# KiCad board testhologram.kicad_pcb (continued)
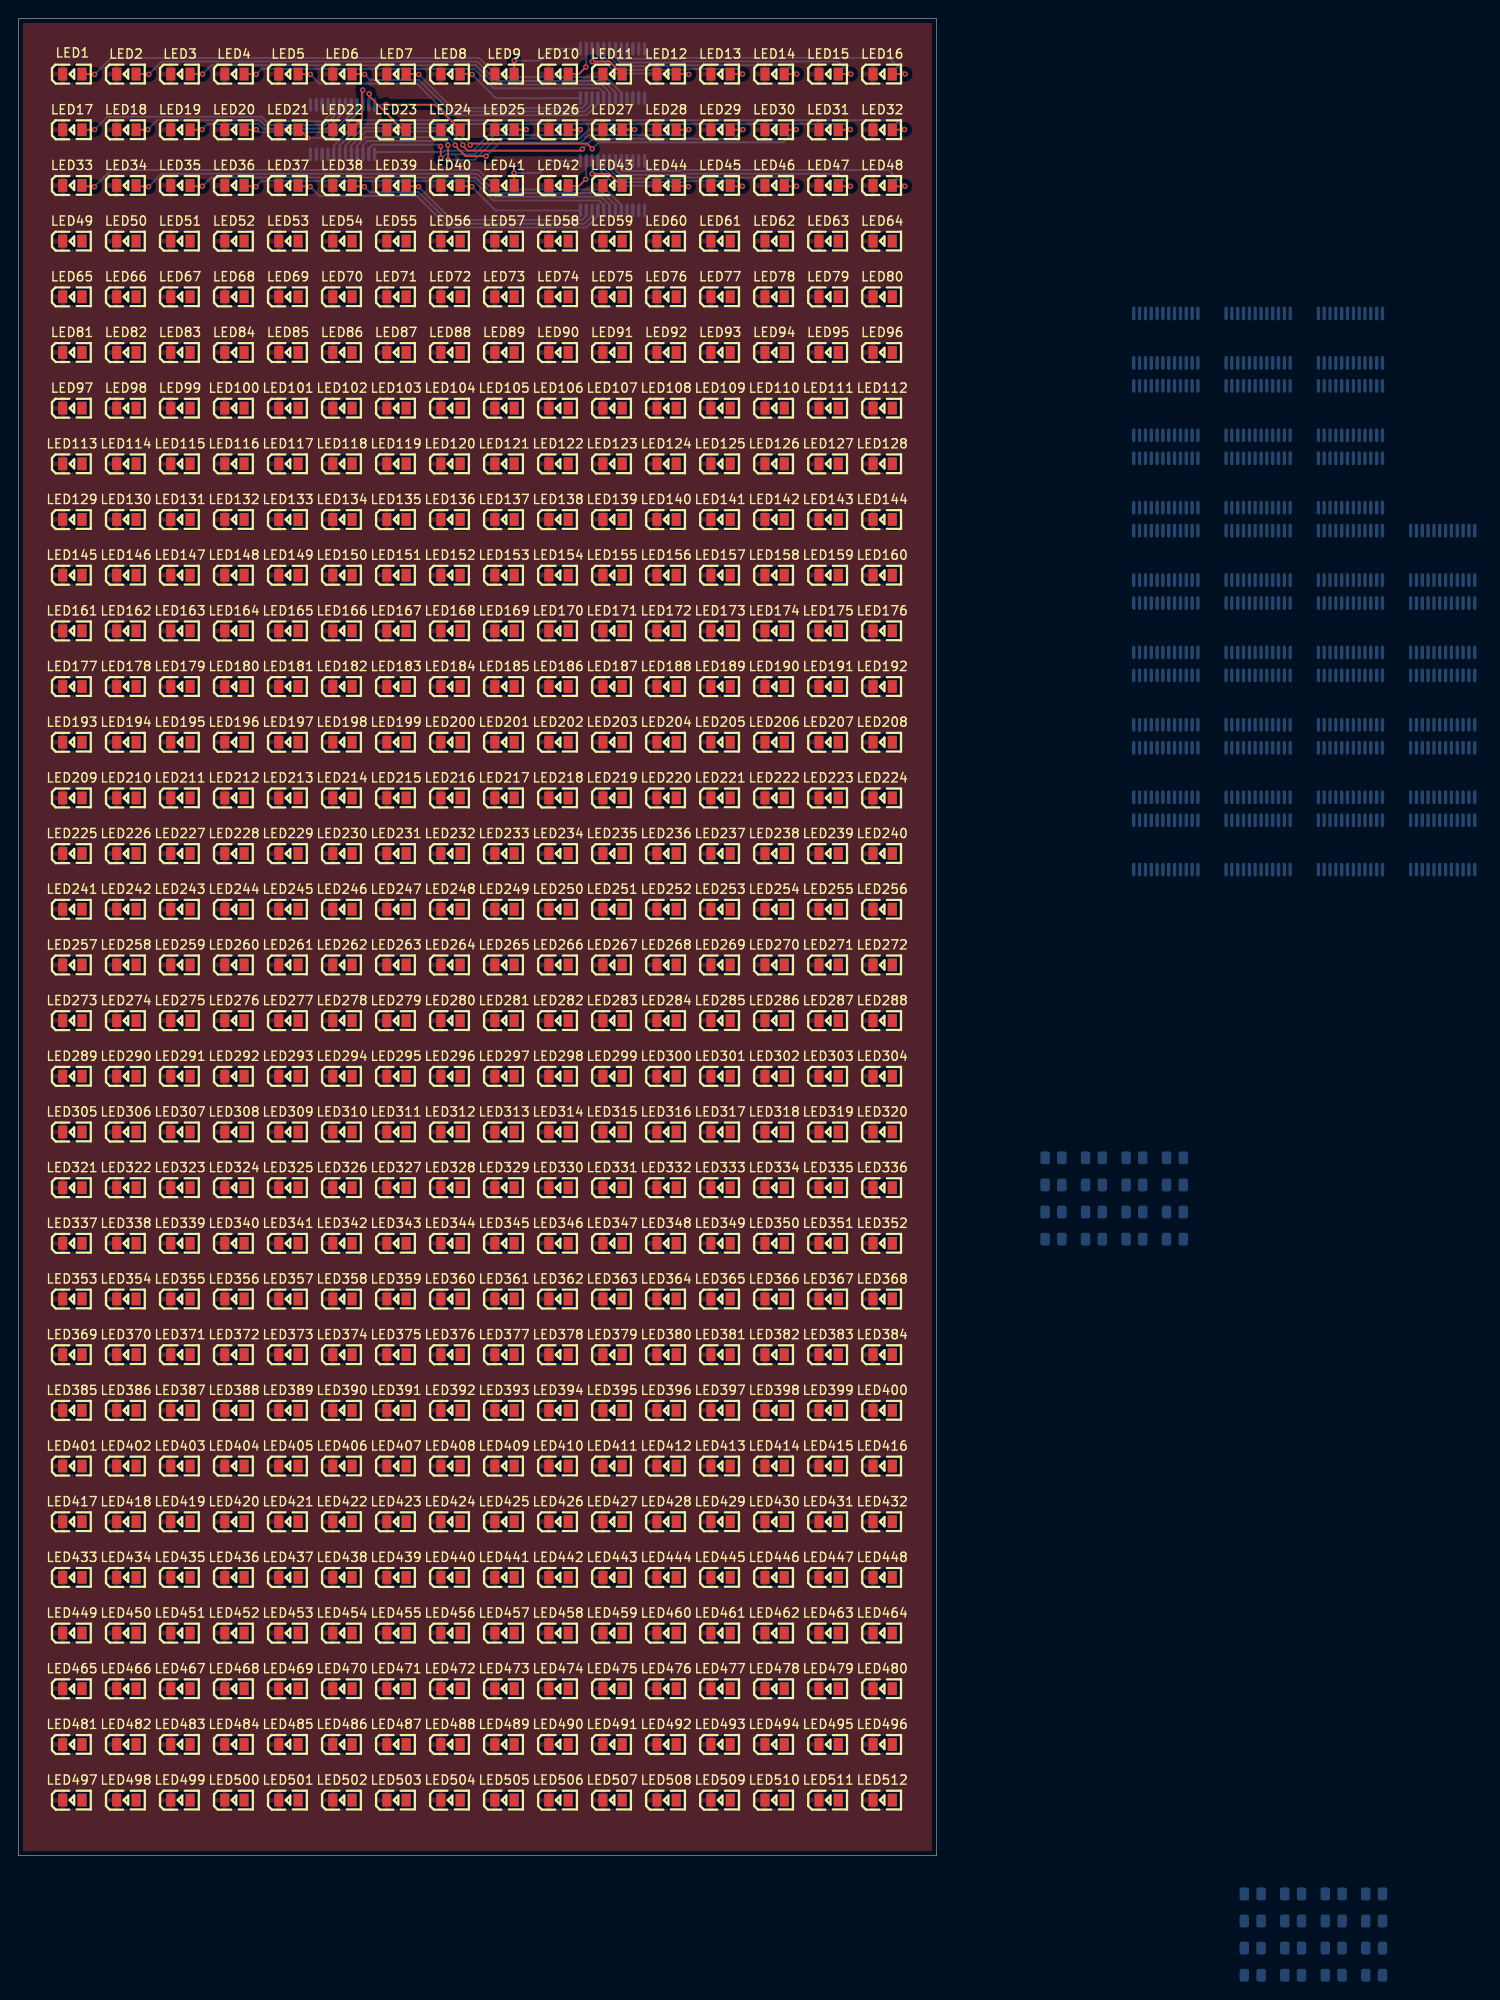
[diagram p0: board, top side]
## Placement (name value [footprint] x y rotation side) (continued)
LED328  0805G (Green)  [LED0805-R-RD]  47.06 72.73 0 top
LED329  0805G (Green)  [LED0805-R-RD]  52.94 72.73 0 top
LED330  0805G (Green)  [LED0805-R-RD]  58.82 72.73 0 top
LED331  0805G (Green)  [LED0805-R-RD]  64.71 72.73 0 top
LED332  0805G (Green)  [LED0805-R-RD]  70.59 72.73 0 top
LED333  0805G (Green)  [LED0805-R-RD]  76.47 72.73 0 top
LED334  0805G (Green)  [LED0805-R-RD]  82.35 72.73 0 top
LED335  0805G (Green)  [LED0805-R-RD]  88.24 72.73 0 top
LED336  0805G (Green)  [LED0805-R-RD]  94.12 72.73 0 top
LED337  0805G (Green)  [LED0805-R-RD]  5.88 66.67 0 top
LED338  0805G (Green)  [LED0805-R-RD]  11.76 66.67 0 top
LED339  0805G (Green)  [LED0805-R-RD]  17.65 66.67 0 top
LED340  0805G (Green)  [LED0805-R-RD]  23.53 66.67 0 top
LED341  0805G (Green)  [LED0805-R-RD]  29.41 66.67 0 top
LED342  0805G (Green)  [LED0805-R-RD]  35.29 66.67 0 top
LED343  0805G (Green)  [LED0805-R-RD]  41.18 66.67 0 top
LED344  0805G (Green)  [LED0805-R-RD]  47.06 66.67 0 top
LED345  0805G (Green)  [LED0805-R-RD]  52.94 66.67 0 top
LED346  0805G (Green)  [LED0805-R-RD]  58.82 66.67 0 top
LED347  0805G (Green)  [LED0805-R-RD]  64.71 66.67 0 top
LED348  0805G (Green)  [LED0805-R-RD]  70.59 66.67 0 top
LED349  0805G (Green)  [LED0805-R-RD]  76.47 66.67 0 top
LED350  0805G (Green)  [LED0805-R-RD]  82.35 66.67 0 top
LED351  0805G (Green)  [LED0805-R-RD]  88.24 66.67 0 top
LED352  0805G (Green)  [LED0805-R-RD]  94.12 66.67 0 top
LED353  0805G (Green)  [LED0805-R-RD]  5.88 60.61 0 top
LED354  0805G (Green)  [LED0805-R-RD]  11.76 60.61 0 top
LED355  0805G (Green)  [LED0805-R-RD]  17.65 60.61 0 top
LED356  0805G (Green)  [LED0805-R-RD]  23.53 60.61 0 top
LED357  0805G (Green)  [LED0805-R-RD]  29.41 60.61 0 top
LED358  0805G (Green)  [LED0805-R-RD]  35.29 60.61 0 top
LED359  0805G (Green)  [LED0805-R-RD]  41.18 60.61 0 top
LED360  0805G (Green)  [LED0805-R-RD]  47.06 60.61 0 top
LED361  0805G (Green)  [LED0805-R-RD]  52.94 60.61 0 top
LED362  0805G (Green)  [LED0805-R-RD]  58.82 60.61 0 top
LED363  0805G (Green)  [LED0805-R-RD]  64.71 60.61 0 top
LED364  0805G (Green)  [LED0805-R-RD]  70.59 60.61 0 top
LED365  0805G (Green)  [LED0805-R-RD]  76.47 60.61 0 top
LED366  0805G (Green)  [LED0805-R-RD]  82.35 60.61 0 top
LED367  0805G (Green)  [LED0805-R-RD]  88.24 60.61 0 top
LED368  0805G (Green)  [LED0805-R-RD]  94.12 60.61 0 top
LED369  0805G (Green)  [LED0805-R-RD]  5.88 54.55 0 top
LED370  0805G (Green)  [LED0805-R-RD]  11.76 54.55 0 top
LED371  0805G (Green)  [LED0805-R-RD]  17.65 54.55 0 top
LED372  0805G (Green)  [LED0805-R-RD]  23.53 54.55 0 top
LED373  0805G (Green)  [LED0805-R-RD]  29.41 54.55 0 top
LED374  0805G (Green)  [LED0805-R-RD]  35.29 54.55 0 top
LED375  0805G (Green)  [LED0805-R-RD]  41.18 54.55 0 top
LED376  0805G (Green)  [LED0805-R-RD]  47.06 54.55 0 top
LED377  0805G (Green)  [LED0805-R-RD]  52.94 54.55 0 top
LED378  0805G (Green)  [LED0805-R-RD]  58.82 54.55 0 top
LED379  0805G (Green)  [LED0805-R-RD]  64.71 54.55 0 top
LED380  0805G (Green)  [LED0805-R-RD]  70.59 54.55 0 top
LED381  0805G (Green)  [LED0805-R-RD]  76.47 54.55 0 top
LED382  0805G (Green)  [LED0805-R-RD]  82.35 54.55 0 top
LED383  0805G (Green)  [LED0805-R-RD]  88.24 54.55 0 top
LED384  0805G (Green)  [LED0805-R-RD]  94.12 54.55 0 top
LED385  0805G (Green)  [LED0805-R-RD]  5.88 48.48 0 top
LED386  0805G (Green)  [LED0805-R-RD]  11.76 48.48 0 top
LED387  0805G (Green)  [LED0805-R-RD]  17.65 48.48 0 top
LED388  0805G (Green)  [LED0805-R-RD]  23.53 48.48 0 top
LED389  0805G (Green)  [LED0805-R-RD]  29.41 48.48 0 top
LED390  0805G (Green)  [LED0805-R-RD]  35.29 48.48 0 top
LED391  0805G (Green)  [LED0805-R-RD]  41.18 48.48 0 top
LED392  0805G (Green)  [LED0805-R-RD]  47.06 48.48 0 top
LED393  0805G (Green)  [LED0805-R-RD]  52.94 48.48 0 top
LED394  0805G (Green)  [LED0805-R-RD]  58.82 48.48 0 top
LED395  0805G (Green)  [LED0805-R-RD]  64.71 48.48 0 top
LED396  0805G (Green)  [LED0805-R-RD]  70.59 48.48 0 top
LED397  0805G (Green)  [LED0805-R-RD]  76.47 48.48 0 top
LED398  0805G (Green)  [LED0805-R-RD]  82.35 48.48 0 top
LED399  0805G (Green)  [LED0805-R-RD]  88.24 48.48 0 top
LED400  0805G (Green)  [LED0805-R-RD]  94.12 48.48 0 top
LED401  0805G (Green)  [LED0805-R-RD]  5.88 42.42 0 top
LED402  0805G (Green)  [LED0805-R-RD]  11.76 42.42 0 top
LED403  0805G (Green)  [LED0805-R-RD]  17.65 42.42 0 top
LED404  0805G (Green)  [LED0805-R-RD]  23.53 42.42 0 top
LED405  0805G (Green)  [LED0805-R-RD]  29.41 42.42 0 top
LED406  0805G (Green)  [LED0805-R-RD]  35.29 42.42 0 top
LED407  0805G (Green)  [LED0805-R-RD]  41.18 42.42 0 top
LED408  0805G (Green)  [LED0805-R-RD]  47.06 42.42 0 top
LED409  0805G (Green)  [LED0805-R-RD]  52.94 42.42 0 top
LED410  0805G (Green)  [LED0805-R-RD]  58.82 42.42 0 top
LED411  0805G (Green)  [LED0805-R-RD]  64.71 42.42 0 top
LED412  0805G (Green)  [LED0805-R-RD]  70.59 42.42 0 top
LED413  0805G (Green)  [LED0805-R-RD]  76.47 42.42 0 top
LED414  0805G (Green)  [LED0805-R-RD]  82.35 42.42 0 top
LED415  0805G (Green)  [LED0805-R-RD]  88.24 42.42 0 top
LED416  0805G (Green)  [LED0805-R-RD]  94.12 42.42 0 top
LED417  0805G (Green)  [LED0805-R-RD]  5.88 36.36 0 top
LED418  0805G (Green)  [LED0805-R-RD]  11.76 36.36 0 top
LED419  0805G (Green)  [LED0805-R-RD]  17.65 36.36 0 top
LED420  0805G (Green)  [LED0805-R-RD]  23.53 36.36 0 top
LED421  0805G (Green)  [LED0805-R-RD]  29.41 36.36 0 top
LED422  0805G (Green)  [LED0805-R-RD]  35.29 36.36 0 top
LED423  0805G (Green)  [LED0805-R-RD]  41.18 36.36 0 top
LED424  0805G (Green)  [LED0805-R-RD]  47.06 36.36 0 top
LED425  0805G (Green)  [LED0805-R-RD]  52.94 36.36 0 top
LED426  0805G (Green)  [LED0805-R-RD]  58.82 36.36 0 top
LED427  0805G (Green)  [LED0805-R-RD]  64.71 36.36 0 top
LED428  0805G (Green)  [LED0805-R-RD]  70.59 36.36 0 top
LED429  0805G (Green)  [LED0805-R-RD]  76.47 36.36 0 top
LED430  0805G (Green)  [LED0805-R-RD]  82.35 36.36 0 top
LED431  0805G (Green)  [LED0805-R-RD]  88.24 36.36 0 top
LED432  0805G (Green)  [LED0805-R-RD]  94.12 36.36 0 top
LED433  0805G (Green)  [LED0805-R-RD]  5.88 30.3 0 top
LED434  0805G (Green)  [LED0805-R-RD]  11.76 30.3 0 top
LED435  0805G (Green)  [LED0805-R-RD]  17.65 30.3 0 top
LED436  0805G (Green)  [LED0805-R-RD]  23.53 30.3 0 top
LED437  0805G (Green)  [LED0805-R-RD]  29.41 30.3 0 top
LED438  0805G (Green)  [LED0805-R-RD]  35.29 30.3 0 top
LED439  0805G (Green)  [LED0805-R-RD]  41.18 30.3 0 top
LED440  0805G (Green)  [LED0805-R-RD]  47.06 30.3 0 top
LED441  0805G (Green)  [LED0805-R-RD]  52.94 30.3 0 top
LED442  0805G (Green)  [LED0805-R-RD]  58.82 30.3 0 top
LED443  0805G (Green)  [LED0805-R-RD]  64.71 30.3 0 top
LED444  0805G (Green)  [LED0805-R-RD]  70.59 30.3 0 top
LED445  0805G (Green)  [LED0805-R-RD]  76.47 30.3 0 top
LED446  0805G (Green)  [LED0805-R-RD]  82.35 30.3 0 top
LED447  0805G (Green)  [LED0805-R-RD]  88.24 30.3 0 top
LED448  0805G (Green)  [LED0805-R-RD]  94.12 30.3 0 top
LED449  0805G (Green)  [LED0805-R-RD]  5.88 24.24 0 top
LED450  0805G (Green)  [LED0805-R-RD]  11.76 24.24 0 top
LED451  0805G (Green)  [LED0805-R-RD]  17.65 24.24 0 top
LED452  0805G (Green)  [LED0805-R-RD]  23.53 24.24 0 top
LED453  0805G (Green)  [LED0805-R-RD]  29.41 24.24 0 top
LED454  0805G (Green)  [LED0805-R-RD]  35.29 24.24 0 top
LED455  0805G (Green)  [LED0805-R-RD]  41.18 24.24 0 top
LED456  0805G (Green)  [LED0805-R-RD]  47.06 24.24 0 top
LED457  0805G (Green)  [LED0805-R-RD]  52.94 24.24 0 top
LED458  0805G (Green)  [LED0805-R-RD]  58.82 24.24 0 top
LED459  0805G (Green)  [LED0805-R-RD]  64.71 24.24 0 top
LED460  0805G (Green)  [LED0805-R-RD]  70.59 24.24 0 top
LED461  0805G (Green)  [LED0805-R-RD]  76.47 24.24 0 top
LED462  0805G (Green)  [LED0805-R-RD]  82.35 24.24 0 top
LED463  0805G (Green)  [LED0805-R-RD]  88.24 24.24 0 top
LED464  0805G (Green)  [LED0805-R-RD]  94.12 24.24 0 top
LED465  0805G (Green)  [LED0805-R-RD]  5.88 18.18 0 top
LED466  0805G (Green)  [LED0805-R-RD]  11.76 18.18 0 top
LED467  0805G (Green)  [LED0805-R-RD]  17.65 18.18 0 top
LED468  0805G (Green)  [LED0805-R-RD]  23.53 18.18 0 top
LED469  0805G (Green)  [LED0805-R-RD]  29.41 18.18 0 top
LED470  0805G (Green)  [LED0805-R-RD]  35.29 18.18 0 top
LED471  0805G (Green)  [LED0805-R-RD]  41.18 18.18 0 top
LED472  0805G (Green)  [LED0805-R-RD]  47.06 18.18 0 top
LED473  0805G (Green)  [LED0805-R-RD]  52.94 18.18 0 top
LED474  0805G (Green)  [LED0805-R-RD]  58.82 18.18 0 top
LED475  0805G (Green)  [LED0805-R-RD]  64.71 18.18 0 top
LED476  0805G (Green)  [LED0805-R-RD]  70.59 18.18 0 top
LED477  0805G (Green)  [LED0805-R-RD]  76.47 18.18 0 top
LED478  0805G (Green)  [LED0805-R-RD]  82.35 18.18 0 top
LED479  0805G (Green)  [LED0805-R-RD]  88.24 18.18 0 top
LED480  0805G (Green)  [LED0805-R-RD]  94.12 18.18 0 top
LED481  0805G (Green)  [LED0805-R-RD]  5.88 12.12 0 top
LED482  0805G (Green)  [LED0805-R-RD]  11.76 12.12 0 top
LED483  0805G (Green)  [LED0805-R-RD]  17.65 12.12 0 top
LED484  0805G (Green)  [LED0805-R-RD]  23.53 12.12 0 top
LED485  0805G (Green)  [LED0805-R-RD]  29.41 12.12 0 top
LED486  0805G (Green)  [LED0805-R-RD]  35.29 12.12 0 top
LED487  0805G (Green)  [LED0805-R-RD]  41.18 12.12 0 top
LED488  0805G (Green)  [LED0805-R-RD]  47.06 12.12 0 top
LED489  0805G (Green)  [LED0805-R-RD]  52.94 12.12 0 top
LED490  0805G (Green)  [LED0805-R-RD]  58.82 12.12 0 top
LED491  0805G (Green)  [LED0805-R-RD]  64.71 12.12 0 top
LED492  0805G (Green)  [LED0805-R-RD]  70.59 12.12 0 top
LED493  0805G (Green)  [LED0805-R-RD]  76.47 12.12 0 top
LED494  0805G (Green)  [LED0805-R-RD]  82.35 12.12 0 top
LED495  0805G (Green)  [LED0805-R-RD]  88.24 12.12 0 top
LED496  0805G (Green)  [LED0805-R-RD]  94.12 12.12 0 top
LED497  0805G (Green)  [LED0805-R-RD]  5.88 6.06 0 top
LED498  0805G (Green)  [LED0805-R-RD]  11.76 6.06 0 top
LED499  0805G (Green)  [LED0805-R-RD]  17.65 6.06 0 top
LED500  0805G (Green)  [LED0805-R-RD]  23.53 6.06 0 top
LED501  0805G (Green)  [LED0805-R-RD]  29.41 6.06 0 top
LED502  0805G (Green)  [LED0805-R-RD]  35.29 6.06 0 top
LED503  0805G (Green)  [LED0805-R-RD]  41.18 6.06 0 top
LED504  0805G (Green)  [LED0805-R-RD]  47.06 6.06 0 top
LED505  0805G (Green)  [LED0805-R-RD]  52.94 6.06 0 top
LED506  0805G (Green)  [LED0805-R-RD]  58.82 6.06 0 top
LED507  0805G (Green)  [LED0805-R-RD]  64.71 6.06 0 top
LED508  0805G (Green)  [LED0805-R-RD]  70.59 6.06 0 top
LED509  0805G (Green)  [LED0805-R-RD]  76.47 6.06 0 top
LED510  0805G (Green)  [LED0805-R-RD]  82.35 6.06 0 top
LED511  0805G (Green)  [LED0805-R-RD]  88.24 6.06 0 top
LED512  0805G (Green)  [LED0805-R-RD]  94.12 6.06 0 top
R1  R_US  [R_0805_2012Metric]  125.95 75.97 180 bottom
R2  R_US  [R_0805_2012Metric]  125.95 73.02 180 bottom
R3  R_US  [R_0805_2012Metric]  125.95 70.07 180 bottom
R4  R_US  [R_0805_2012Metric]  125.95 67.12 180 bottom
R5  R_US  [R_0805_2012Metric]  121.54 75.97 180 bottom
R6  R_US  [R_0805_2012Metric]  121.54 73.02 180 bottom
R7  R_US  [R_0805_2012Metric]  121.54 70.07 180 bottom
R8  R_US  [R_0805_2012Metric]  121.54 67.12 180 bottom
R9  R_US  [R_0805_2012Metric]  117.13 75.97 180 bottom
R10  R_US  [R_0805_2012Metric]  117.13 73.02 180 bottom
R11  R_US  [R_0805_2012Metric]  117.13 70.07 180 bottom
R12  R_US  [R_0805_2012Metric]  117.13 67.12 180 bottom
R13  R_US  [R_0805_2012Metric]  112.72 75.97 180 bottom
R14  R_US  [R_0805_2012Metric]  112.72 73.02 180 bottom
R15  R_US  [R_0805_2012Metric]  112.72 70.07 180 bottom
R16  R_US  [R_0805_2012Metric]  112.72 67.12 180 bottom
R17  R_US  [R_0805_2012Metric]  147.65 -4.15 180 bottom
R18  R_US  [R_0805_2012Metric]  147.65 -7.1 180 bottom
R19  R_US  [R_0805_2012Metric]  147.65 -10.05 180 bottom
R20  R_US  [R_0805_2012Metric]  147.65 -13 180 bottom
R21  R_US  [R_0805_2012Metric]  143.24 -4.15 180 bottom
R22  R_US  [R_0805_2012Metric]  143.24 -7.1 180 bottom
R23  R_US  [R_0805_2012Metric]  143.24 -10.05 180 bottom
R24  R_US  [R_0805_2012Metric]  143.24 -13 180 bottom
R25  R_US  [R_0805_2012Metric]  138.83 -4.15 180 bottom
R26  R_US  [R_0805_2012Metric]  138.83 -7.1 180 bottom
R27  R_US  [R_0805_2012Metric]  138.83 -10.05 180 bottom
R28  R_US  [R_0805_2012Metric]  138.83 -13 180 bottom
R29  R_US  [R_0805_2012Metric]  134.42 -4.15 180 bottom
R30  R_US  [R_0805_2012Metric]  134.42 -7.1 180 bottom
R31  R_US  [R_0805_2012Metric]  134.42 -10.05 180 bottom
R32  R_US  [R_0805_2012Metric]  134.42 -13 180 bottom
U1  SM16106SC  [QSOP-24_L8.7-W4.0-P0.64-LS6.0-BL]  64.7 194 180 bottom
U2  SM16106SC  [QSOP-24_L8.7-W4.0-P0.64-LS6.0-BL]  35.3 187.9 0 bottom
U3  SM16106SC  [QSOP-24_L8.7-W4.0-P0.64-LS6.0-BL]  64.7 181.8 180 bottom
U4  SM16106SC  [QSOP-24_L8.7-W4.0-P0.64-LS6.0-BL]  155.11 141.55 180 bottom
U5  SM16106SC  [QSOP-24_L8.7-W4.0-P0.64-LS6.0-BL]  155.11 133.67 180 bottom
U6  SM16106SC  [QSOP-24_L8.7-W4.0-P0.64-LS6.0-BL]  155.11 125.79 180 bottom
U7  SM16106SC  [QSOP-24_L8.7-W4.0-P0.64-LS6.0-BL]  155.11 117.91 180 bottom
U8  SM16106SC  [QSOP-24_L8.7-W4.0-P0.64-LS6.0-BL]  155.11 110.03 180 bottom
U9  SM16106SC  [QSOP-24_L8.7-W4.0-P0.64-LS6.0-BL]  145.06 165.19 180 bottom
U10  SM16106SC  [QSOP-24_L8.7-W4.0-P0.64-LS6.0-BL]  145.06 157.31 180 bottom
U11  SM16106SC  [QSOP-24_L8.7-W4.0-P0.64-LS6.0-BL]  145.06 149.43 180 bottom
U12  SM16106SC  [QSOP-24_L8.7-W4.0-P0.64-LS6.0-BL]  145.06 141.55 180 bottom
U13  SM16106SC  [QSOP-24_L8.7-W4.0-P0.64-LS6.0-BL]  145.06 133.67 180 bottom
U14  SM16106SC  [QSOP-24_L8.7-W4.0-P0.64-LS6.0-BL]  145.06 125.79 180 bottom
U15  SM16106SC  [QSOP-24_L8.7-W4.0-P0.64-LS6.0-BL]  145.06 117.91 180 bottom
U16  SM16106SC  [QSOP-24_L8.7-W4.0-P0.64-LS6.0-BL]  145.06 110.03 180 bottom
U17  SM16106SC  [QSOP-24_L8.7-W4.0-P0.64-LS6.0-BL]  135.01 165.19 180 bottom
U18  SM16106SC  [QSOP-24_L8.7-W4.0-P0.64-LS6.0-BL]  135.01 157.31 180 bottom
U19  SM16106SC  [QSOP-24_L8.7-W4.0-P0.64-LS6.0-BL]  135.01 149.43 180 bottom
U20  SM16106SC  [QSOP-24_L8.7-W4.0-P0.64-LS6.0-BL]  135.01 141.55 180 bottom
U21  SM16106SC  [QSOP-24_L8.7-W4.0-P0.64-LS6.0-BL]  135.01 133.67 180 bottom
U22  SM16106SC  [QSOP-24_L8.7-W4.0-P0.64-LS6.0-BL]  135.01 125.79 180 bottom
U23  SM16106SC  [QSOP-24_L8.7-W4.0-P0.64-LS6.0-BL]  135.01 117.91 180 bottom
U24  SM16106SC  [QSOP-24_L8.7-W4.0-P0.64-LS6.0-BL]  135.01 110.03 180 bottom
U25  SM16106SC  [QSOP-24_L8.7-W4.0-P0.64-LS6.0-BL]  124.96 165.19 180 bottom
U26  SM16106SC  [QSOP-24_L8.7-W4.0-P0.64-LS6.0-BL]  124.96 157.31 180 bottom
U27  SM16106SC  [QSOP-24_L8.7-W4.0-P0.64-LS6.0-BL]  124.96 149.43 180 bottom
U28  SM16106SC  [QSOP-24_L8.7-W4.0-P0.64-LS6.0-BL]  124.96 141.55 180 bottom
U29  SM16106SC  [QSOP-24_L8.7-W4.0-P0.64-LS6.0-BL]  124.96 133.67 180 bottom
U30  SM16106SC  [QSOP-24_L8.7-W4.0-P0.64-LS6.0-BL]  124.96 125.79 180 bottom
U31  SM16106SC  [QSOP-24_L8.7-W4.0-P0.64-LS6.0-BL]  124.96 117.91 180 bottom
U32  SM16106SC  [QSOP-24_L8.7-W4.0-P0.64-LS6.0-BL]  124.96 110.03 180 bottom

## Library data of the parts
LED1-LED512 = -: Description: Light emitting diode; LCSC Part: C2297; Sim.Pins: 1=K 2=A; ki_fp_filters: LED* LED_SMD:* LED_THT:*
R1-R32 = -: Description: Resistor, US symbol; ki_fp_filters: R_*
U1-U32 = -: Datasheet: https://lcsc.com/product-detail/LED-Drivers_SM16106SC_C121618.html; LCSC Part: C121618

## Footprints (pads in the part's own frame, mm; a bottom-side part is the same pattern mirrored in y, then rotated)
LED0805-R-RD
  rect 1x1.4 smd: 1(1.05,0) 2(-1.05,0)
QSOP-24_L8.7-W4.0-P0.64-LS6.0-BL
  oval 0.36x1.5 smd: 1(-3.49,-2.69) 2(-2.86,-2.69) 3(-2.22,-2.69) 4(-1.59,-2.69) 5(-0.95,-2.69) 6(-0.32,-2.69) 7(0.32,-2.69) 8(0.95,-2.69) 9(1.59,-2.69) 10(2.22,-2.69) 11(2.86,-2.69) 12(3.49,-2.69) 13(3.49,2.69) 14(2.86,2.69) 15(2.22,2.69) 16(1.59,2.69) 17(0.95,2.69) 18(0.32,2.69) 19(-0.32,2.69) 20(-0.95,2.69) 21(-1.59,2.69) 22(-2.22,2.69) 23(-2.86,2.69) 24(-3.49,2.69)
R_0805_2012Metric
  rrect 1.025x1.4 smd: 1(-0.912,0) 2(0.912,0)

## Nets
GND: R1.1 R2.1 R3.1 R4.1 R5.1 R6.1 R7.1 R8.1 R9.1 R10.1 R11.1 R12.1 R13.1 R14.1 R15.1 R16.1 R17.1 R18.1 R19.1 R20.1 R21.1 R22.1 R23.1 R24.1 R25.1 R26.1 R27.1 R28.1 R29.1 R30.1 R31.1 R32.1 U1.1 U2.1 U3.1 U4.1 U5.1 U6.1 U7.1 U8.1 U9.1 U10.1 U11.1 U12.1 U13.1 U14.1 U15.1 U16.1 U17.1 U18.1 U19.1 U20.1 U21.1 U22.1 U23.1 U24.1 U25.1 U26.1 U27.1 U28.1 U29.1 U30.1 U31.1 U32.1
VCC: LED1.2 LED2.2 LED3.2 LED4.2 LED5.2 LED6.2 LED7.2 LED8.2 LED9.2 LED10.2 LED11.2 LED12.2 LED13.2 LED14.2 LED15.2 LED16.2 LED17.2 LED18.2 LED19.2 LED20.2 LED21.2 LED22.2 LED23.2 LED24.2 LED25.2 LED26.2 LED27.2 LED28.2 LED29.2 LED30.2 LED31.2 LED32.2 LED33.2 LED34.2 LED35.2 LED36.2 LED37.2 LED38.2 LED39.2 LED40.2 LED41.2 LED42.2 LED43.2 LED44.2 LED45.2 LED46.2 LED47.2 LED48.2 LED49.2 LED50.2 LED51.2 LED52.2 LED53.2 LED54.2 LED55.2 LED56.2 LED57.2 LED58.2 LED59.2 LED60.2 LED61.2 LED62.2 LED63.2 LED64.2 LED65.2 LED66.2 LED67.2 LED68.2 LED69.2 LED70.2 LED71.2 LED72.2 LED73.2 LED74.2 LED75.2 LED76.2 LED77.2 LED78.2 LED79.2 LED80.2 LED81.2 LED82.2 LED83.2 LED84.2 LED85.2 LED86.2 LED87.2 LED88.2 LED89.2 LED90.2 LED91.2 LED92.2 LED93.2 LED94.2 LED95.2 LED96.2 LED97.2 LED98.2 LED99.2 LED100.2 LED101.2 LED102.2 LED103.2 LED104.2 LED105.2 LED106.2 LED107.2 LED108.2 LED109.2 LED110.2 LED111.2 LED112.2 LED113.2 LED114.2 LED115.2 LED116.2 LED117.2 LED118.2 LED119.2 LED120.2 LED121.2 LED122.2 LED123.2 LED124.2 LED125.2 LED126.2 LED127.2 LED128.2 LED129.2 LED130.2 LED131.2 LED132.2 LED133.2 LED134.2 LED135.2 LED136.2 LED137.2 LED138.2 LED139.2 LED140.2 LED141.2 LED142.2 LED143.2 LED144.2 LED145.2 LED146.2 LED147.2 LED148.2 LED149.2 LED150.2 LED151.2 LED152.2 LED153.2 LED154.2 LED155.2 LED156.2 LED157.2 LED158.2 LED159.2 LED160.2 LED161.2 LED162.2 LED163.2 LED164.2 LED165.2 LED166.2 LED167.2 LED168.2 LED169.2 LED170.2 LED171.2 LED172.2 LED173.2 LED174.2 LED175.2 LED176.2 LED177.2 LED178.2 LED179.2 LED180.2 LED181.2 LED182.2 LED183.2 LED184.2 LED185.2 LED186.2 LED187.2 LED188.2 LED189.2 LED190.2 LED191.2 LED192.2 LED193.2 LED194.2 LED195.2 LED196.2 LED197.2 LED198.2 LED199.2 LED200.2 LED201.2 LED202.2 LED203.2 LED204.2 LED205.2 LED206.2 LED207.2 LED208.2 LED209.2 LED210.2 LED211.2 LED212.2 LED213.2 LED214.2 LED215.2 LED216.2 LED217.2 LED218.2 LED219.2 LED220.2 LED221.2 LED222.2 LED223.2 LED224.2 LED225.2 LED226.2 LED227.2 LED228.2 LED229.2 LED230.2 LED231.2 LED232.2 LED233.2 LED234.2 LED235.2 LED236.2 LED237.2 LED238.2 LED239.2 LED240.2 LED241.2 LED242.2 LED243.2 LED244.2 LED245.2 LED246.2 LED247.2 LED248.2 LED249.2 LED250.2 LED251.2 LED252.2 LED253.2 LED254.2 LED255.2 LED256.2 LED257.2 LED258.2 LED259.2 LED260.2 LED261.2 LED262.2 LED263.2 LED264.2 LED265.2 LED266.2 LED267.2 LED268.2 LED269.2 LED270.2 LED271.2 LED272.2 LED273.2 LED274.2 LED275.2 LED276.2 LED277.2 LED278.2 LED279.2 LED280.2 LED281.2 LED282.2 LED283.2 LED284.2 LED285.2 LED286.2 LED287.2 LED288.2 LED289.2 LED290.2 LED291.2 LED292.2 LED293.2 LED294.2 LED295.2 LED296.2 LED297.2 LED298.2 LED299.2 LED300.2 LED301.2 LED302.2 LED303.2 LED304.2 LED305.2 LED306.2 LED307.2 LED308.2 LED309.2 LED310.2 LED311.2 LED312.2 LED313.2 LED314.2 LED315.2 LED316.2 LED317.2 LED318.2 LED319.2 LED320.2 LED321.2 LED322.2 LED323.2 LED324.2 LED325.2 LED326.2 LED327.2 LED328.2 LED329.2 LED330.2 LED331.2 LED332.2 LED333.2 LED334.2 LED335.2 LED336.2 LED337.2 LED338.2 LED339.2 LED340.2 LED341.2 LED342.2 LED343.2 LED344.2 LED345.2 LED346.2 LED347.2 LED348.2 LED349.2 LED350.2 LED351.2 LED352.2 LED353.2 LED354.2 LED355.2 LED356.2 LED357.2 LED358.2 LED359.2 LED360.2 LED361.2 LED362.2 LED363.2 LED364.2 LED365.2 LED366.2 LED367.2 LED368.2 LED369.2 LED370.2 LED371.2 LED372.2 LED373.2 LED374.2 LED375.2 LED376.2 LED377.2 LED378.2 LED379.2 LED380.2 LED381.2 LED382.2 LED383.2 LED384.2 LED385.2 LED386.2 LED387.2 LED388.2 LED389.2 LED390.2 LED391.2 LED392.2 LED393.2 LED394.2 LED395.2 LED396.2 LED397.2 LED398.2 LED399.2 LED400.2 LED401.2 LED402.2 LED403.2 LED404.2 LED405.2 LED406.2 LED407.2 LED408.2 LED409.2 LED410.2 LED411.2 LED412.2 LED413.2 LED414.2 LED415.2 LED416.2 LED417.2 LED418.2 LED419.2 LED420.2 LED421.2 LED422.2 LED423.2 LED424.2 LED425.2 LED426.2 LED427.2 LED428.2 LED429.2 LED430.2 LED431.2 LED432.2 LED433.2 LED434.2 LED435.2 LED436.2 LED437.2 LED438.2 LED439.2 LED440.2 LED441.2 LED442.2 LED443.2 LED444.2 LED445.2 LED446.2 LED447.2 LED448.2 LED449.2 LED450.2 LED451.2 LED452.2 LED453.2 LED454.2 LED455.2 LED456.2 LED457.2 LED458.2 LED459.2 LED460.2 LED461.2 LED462.2 LED463.2 LED464.2 LED465.2 LED466.2 LED467.2 LED468.2 LED469.2 LED470.2 LED471.2 LED472.2 LED473.2 LED474.2 LED475.2 LED476.2 LED477.2 LED478.2 LED479.2 LED480.2 LED481.2 LED482.2 LED483.2 LED484.2 LED485.2 LED486.2 LED487.2 LED488.2 LED489.2 LED490.2 LED491.2 LED492.2 LED493.2 LED494.2 LED495.2 LED496.2 LED497.2 LED498.2 LED499.2 LED500.2 LED501.2 LED502.2 LED503.2 LED504.2 LED505.2 LED506.2 LED507.2 LED508.2 LED509.2 LED510.2 LED511.2 LED512.2
VDD: U1.24 U2.24 U3.24 U4.24 U5.24 U6.24 U7.24 U8.24 U9.24 U10.24 U11.24 U12.24 U13.24 U14.24 U15.24 U16.24 U17.24 U18.24 U19.24 U20.24 U21.24 U22.24 U23.24 U24.24 U25.24 U26.24 U27.24 U28.24 U29.24 U30.24 U31.24 U32.24
CLK: U1.3 U2.3 U3.3 U4.3 U5.3 U6.3 U7.3 U8.3 U9.3 U10.3 U11.3 U12.3 U13.3 U14.3 U15.3 U16.3 U17.3 U18.3 U19.3 U20.3 U21.3 U22.3 U23.3 U24.3 U25.3 U26.3 U27.3 U28.3 U29.3 U30.3 U31.3 U32.3
LE: U1.4 U2.4 U3.4 U4.4 U5.4 U6.4 U7.4 U8.4 U9.4 U10.4 U11.4 U12.4 U13.4 U14.4 U15.4 U16.4 U17.4 U18.4 U19.4 U20.4 U21.4 U22.4 U23.4 U24.4 U25.4 U26.4 U27.4 U28.4 U29.4 U30.4 U31.4 U32.4
NOT_OE: U1.21 U2.21 U3.21 U4.21 U5.21 U6.21 U7.21 U8.21 U9.21 U10.21 U11.21 U12.21 U13.21 U14.21 U15.21 U16.21 U17.21 U18.21 U19.21 U20.21 U21.21 U22.21 U23.21 U24.21 U25.21 U26.21 U27.21 U28.21 U29.21 U30.21 U31.21 U32.21
SDI: U1.2 U2.2 U3.2 U4.2 U5.2 U6.2 U7.2 U8.2 U9.2 U10.2 U11.2 U12.2 U13.2 U14.2 U15.2 U16.2 U17.2 U18.2 U19.2 U20.2 U21.2 U22.2 U23.2 U24.2 U25.2 U26.2 U27.2 U28.2 U29.2 U30.2 U31.2 U32.2
SDO-01: U1.22 U2.22 U3.22 U4.22 U5.22 U6.22 U7.22 U8.22 U9.22 U10.22 U11.22 U12.22 U13.22 U14.22 U15.22 U16.22 U17.22 U18.22 U19.22 U20.22 U21.22 U22.22 U23.22 U24.22 U25.22 U26.22 U27.22 U28.22 U29.22 U30.22 U31.22 U32.22
Net-(LED1-K): LED1.1 U1.5
Net-(LED2-K): LED2.1 U1.6
Net-(LED3-K): LED3.1 U1.7
Net-(LED4-K): LED4.1 U1.8
Net-(LED5-K): LED5.1 U1.9
Net-(LED6-K): LED6.1 U1.10
Net-(LED7-K): LED7.1 U1.11
Net-(LED8-K): LED8.1 U1.12
Net-(LED9-K): LED9.1 U1.13
Net-(LED10-K): LED10.1 U1.14
Net-(LED11-K): LED11.1 U1.15
Net-(LED12-K): LED12.1 U1.16
Net-(LED13-K): LED13.1 U1.17
Net-(LED14-K): LED14.1 U1.18
Net-(LED15-K): LED15.1 U1.19
Net-(LED16-K): LED16.1 U1.20
Net-(LED17-K): LED17.1 U2.5
Net-(LED18-K): LED18.1 U2.6
Net-(LED19-K): LED19.1 U2.7
Net-(LED20-K): LED20.1 U2.8
Net-(LED21-K): LED21.1 U2.9
Net-(LED22-K): LED22.1 U2.10
Net-(LED23-K): LED23.1 U2.11
Net-(LED24-K): LED24.1 U2.12
Net-(LED25-K): LED25.1 U2.13
Net-(LED26-K): LED26.1 U2.14
Net-(LED27-K): LED27.1 U2.15
Net-(LED28-K): LED28.1 U2.16
Net-(LED29-K): LED29.1 U2.17
Net-(LED30-K): LED30.1 U2.18
Net-(LED31-K): LED31.1 U2.19
Net-(LED32-K): LED32.1 U2.20
Net-(LED33-K): LED33.1 U3.5
Net-(LED34-K): LED34.1 U3.6
Net-(LED35-K): LED35.1 U3.7
Net-(LED36-K): LED36.1 U3.8
Net-(LED37-K): LED37.1 U3.9
Net-(LED38-K): LED38.1 U3.10
Net-(LED39-K): LED39.1 U3.11
Net-(LED40-K): LED40.1 U3.12
Net-(LED41-K): LED41.1 U3.13
Net-(LED42-K): LED42.1 U3.14
Net-(LED43-K): LED43.1 U3.15
Net-(LED44-K): LED44.1 U3.16
Net-(LED45-K): LED45.1 U3.17
Net-(LED46-K): LED46.1 U3.18
Net-(LED47-K): LED47.1 U3.19
Net-(LED48-K): LED48.1 U3.20
Net-(LED49-K): LED49.1 U4.5
Net-(LED50-K): LED50.1 U4.6
Net-(LED51-K): LED51.1 U4.7
Net-(LED52-K): LED52.1 U4.8
Net-(LED53-K): LED53.1 U4.9
Net-(LED54-K): LED54.1 U4.10
Net-(LED55-K): LED55.1 U4.11
Net-(LED56-K): LED56.1 U4.12
Net-(LED57-K): LED57.1 U4.13
Net-(LED58-K): LED58.1 U4.14
Net-(LED59-K): LED59.1 U4.15
Net-(LED60-K): LED60.1 U4.16
Net-(LED61-K): LED61.1 U4.17
Net-(LED62-K): LED62.1 U4.18
Net-(LED63-K): LED63.1 U4.19
Net-(LED64-K): LED64.1 U4.20
Net-(LED65-K): LED65.1 U5.5
Net-(LED66-K): LED66.1 U5.6
Net-(LED67-K): LED67.1 U5.7
Net-(LED68-K): LED68.1 U5.8
Net-(LED69-K): LED69.1 U5.9
Net-(LED70-K): LED70.1 U5.10
Net-(LED71-K): LED71.1 U5.11
Net-(LED72-K): LED72.1 U5.12
Net-(LED73-K): LED73.1 U5.13
Net-(LED74-K): LED74.1 U5.14
Net-(LED75-K): LED75.1 U5.15
Net-(LED76-K): LED76.1 U5.16
Net-(LED77-K): LED77.1 U5.17
Net-(LED78-K): LED78.1 U5.18
Net-(LED79-K): LED79.1 U5.19
Net-(LED80-K): LED80.1 U5.20
Net-(LED81-K): LED81.1 U6.5
Net-(LED82-K): LED82.1 U6.6
Net-(LED83-K): LED83.1 U6.7
Net-(LED84-K): LED84.1 U6.8
Net-(LED85-K): LED85.1 U6.9
Net-(LED86-K): LED86.1 U6.10
Net-(LED87-K): LED87.1 U6.11
Net-(LED88-K): LED88.1 U6.12
Net-(LED89-K): LED89.1 U6.13
Net-(LED90-K): LED90.1 U6.14
Net-(LED91-K): LED91.1 U6.15
Net-(LED92-K): LED92.1 U6.16
Net-(LED93-K): LED93.1 U6.17
Net-(LED94-K): LED94.1 U6.18
Net-(LED95-K): LED95.1 U6.19
Net-(LED96-K): LED96.1 U6.20
Net-(LED97-K): LED97.1 U7.5
Net-(LED98-K): LED98.1 U7.6
Net-(LED99-K): LED99.1 U7.7
Net-(LED100-K): LED100.1 U7.8
Net-(LED101-K): LED101.1 U7.9
Net-(LED102-K): LED102.1 U7.10
Net-(LED103-K): LED103.1 U7.11
Net-(LED104-K): LED104.1 U7.12
Net-(LED105-K): LED105.1 U7.13
Net-(LED106-K): LED106.1 U7.14
Net-(LED107-K): LED107.1 U7.15
Net-(LED108-K): LED108.1 U7.16
Net-(LED109-K): LED109.1 U7.17
Net-(LED110-K): LED110.1 U7.18
Net-(LED111-K): LED111.1 U7.19
Net-(LED112-K): LED112.1 U7.20
Net-(LED113-K): LED113.1 U8.5
Net-(LED114-K): LED114.1 U8.6
Net-(LED115-K): LED115.1 U8.7
Net-(LED116-K): LED116.1 U8.8
Net-(LED117-K): LED117.1 U8.9
Net-(LED118-K): LED118.1 U8.10
Net-(LED119-K): LED119.1 U8.11
Net-(LED120-K): LED120.1 U8.12
Net-(LED121-K): LED121.1 U8.13
Net-(LED122-K): LED122.1 U8.14
Net-(LED123-K): LED123.1 U8.15
Net-(LED124-K): LED124.1 U8.16
Net-(LED125-K): LED125.1 U8.17
Net-(LED126-K): LED126.1 U8.18
Net-(LED127-K): LED127.1 U8.19
Net-(LED128-K): LED128.1 U8.20
Net-(LED129-K): LED129.1 U9.5
Net-(LED130-K): LED130.1 U9.6
Net-(LED131-K): LED131.1 U9.7
Net-(LED132-K): LED132.1 U9.8
Net-(LED133-K): LED133.1 U9.9
Net-(LED134-K): LED134.1 U9.10
Net-(LED135-K): LED135.1 U9.11
Net-(LED136-K): LED136.1 U9.12
Net-(LED137-K): LED137.1 U9.13
Net-(LED138-K): LED138.1 U9.14
Net-(LED139-K): LED139.1 U9.15
Net-(LED140-K): LED140.1 U9.16
Net-(LED141-K): LED141.1 U9.17
Net-(LED142-K): LED142.1 U9.18
Net-(LED143-K): LED143.1 U9.19
Net-(LED144-K): LED144.1 U9.20
Net-(LED145-K): LED145.1 U10.5
Net-(LED146-K): LED146.1 U10.6
Net-(LED147-K): LED147.1 U10.7
Net-(LED148-K): LED148.1 U10.8
Net-(LED149-K): LED149.1 U10.9
Net-(LED150-K): LED150.1 U10.10
Net-(LED151-K): LED151.1 U10.11
Net-(LED152-K): LED152.1 U10.12
Net-(LED153-K): LED153.1 U10.13
Net-(LED154-K): LED154.1 U10.14
Net-(LED155-K): LED155.1 U10.15
Net-(LED156-K): LED156.1 U10.16
Net-(LED157-K): LED157.1 U10.17
Net-(LED158-K): LED158.1 U10.18
Net-(LED159-K): LED159.1 U10.19
Net-(LED160-K): LED160.1 U10.20
Net-(LED161-K): LED161.1 U11.5
Net-(LED162-K): LED162.1 U11.6
Net-(LED163-K): LED163.1 U11.7
Net-(LED164-K): LED164.1 U11.8
Net-(LED165-K): LED165.1 U11.9
Net-(LED166-K): LED166.1 U11.10
Net-(LED167-K): LED167.1 U11.11
Net-(LED168-K): LED168.1 U11.12
Net-(LED169-K): LED169.1 U11.13
Net-(LED170-K): LED170.1 U11.14
Net-(LED171-K): LED171.1 U11.15
Net-(LED172-K): LED172.1 U11.16
Net-(LED173-K): LED173.1 U11.17
Net-(LED174-K): LED174.1 U11.18
Net-(LED175-K): LED175.1 U11.19
Net-(LED176-K): LED176.1 U11.20
Net-(LED177-K): LED177.1 U12.5
Net-(LED178-K): LED178.1 U12.6
Net-(LED179-K): LED179.1 U12.7
Net-(LED180-K): LED180.1 U12.8
Net-(LED181-K): LED181.1 U12.9
Net-(LED182-K): LED182.1 U12.10
Net-(LED183-K): LED183.1 U12.11
Net-(LED184-K): LED184.1 U12.12
Net-(LED185-K): LED185.1 U12.13
Net-(LED186-K): LED186.1 U12.14
Net-(LED187-K): LED187.1 U12.15
Net-(LED188-K): LED188.1 U12.16
Net-(LED189-K): LED189.1 U12.17
Net-(LED190-K): LED190.1 U12.18
Net-(LED191-K): LED191.1 U12.19
Net-(LED192-K): LED192.1 U12.20
Net-(LED193-K): LED193.1 U13.5
Net-(LED194-K): LED194.1 U13.6
Net-(LED195-K): LED195.1 U13.7
Net-(LED196-K): LED196.1 U13.8
Net-(LED197-K): LED197.1 U13.9
Net-(LED198-K): LED198.1 U13.10
Net-(LED199-K): LED199.1 U13.11
Net-(LED200-K): LED200.1 U13.12
Net-(LED201-K): LED201.1 U13.13
Net-(LED202-K): LED202.1 U13.14
Net-(LED203-K): LED203.1 U13.15
Net-(LED204-K): LED204.1 U13.16
Net-(LED205-K): LED205.1 U13.17
Net-(LED206-K): LED206.1 U13.18
Net-(LED207-K): LED207.1 U13.19
Net-(LED208-K): LED208.1 U13.20
Net-(LED209-K): LED209.1 U14.5
Net-(LED210-K): LED210.1 U14.6
Net-(LED211-K): LED211.1 U14.7
Net-(LED212-K): LED212.1 U14.8
Net-(LED213-K): LED213.1 U14.9
Net-(LED214-K): LED214.1 U14.10
Net-(LED215-K): LED215.1 U14.11
Net-(LED216-K): LED216.1 U14.12
Net-(LED217-K): LED217.1 U14.13
Net-(LED218-K): LED218.1 U14.14
Net-(LED219-K): LED219.1 U14.15
Net-(LED220-K): LED220.1 U14.16
Net-(LED221-K): LED221.1 U14.17
Net-(LED222-K): LED222.1 U14.18
Net-(LED223-K): LED223.1 U14.19
Net-(LED224-K): LED224.1 U14.20
Net-(LED225-K): LED225.1 U15.5
Net-(LED226-K): LED226.1 U15.6
Net-(LED227-K): LED227.1 U15.7
Net-(LED228-K): LED228.1 U15.8
Net-(LED229-K): LED229.1 U15.9
Net-(LED230-K): LED230.1 U15.10
Net-(LED231-K): LED231.1 U15.11
Net-(LED232-K): LED232.1 U15.12
Net-(LED233-K): LED233.1 U15.13
Net-(LED234-K): LED234.1 U15.14
Net-(LED235-K): LED235.1 U15.15
Net-(LED236-K): LED236.1 U15.16
Net-(LED237-K): LED237.1 U15.17
Net-(LED238-K): LED238.1 U15.18
Net-(LED239-K): LED239.1 U15.19
Net-(LED240-K): LED240.1 U15.20
Net-(LED241-K): LED241.1 U16.5
Net-(LED242-K): LED242.1 U16.6
Net-(LED243-K): LED243.1 U16.7
Net-(LED244-K): LED244.1 U16.8
Net-(LED245-K): LED245.1 U16.9
Net-(LED246-K): LED246.1 U16.10
Net-(LED247-K): LED247.1 U16.11
Net-(LED248-K): LED248.1 U16.12
Net-(LED249-K): LED249.1 U16.13
Net-(LED250-K): LED250.1 U16.14
Net-(LED251-K): LED251.1 U16.15
Net-(LED252-K): LED252.1 U16.16
Net-(LED253-K): LED253.1 U16.17
Net-(LED254-K): LED254.1 U16.18
Net-(LED255-K): LED255.1 U16.19
Net-(LED256-K): LED256.1 U16.20
Net-(LED257-K): LED257.1 U17.5
Net-(LED258-K): LED258.1 U17.6
Net-(LED259-K): LED259.1 U17.7
Net-(LED260-K): LED260.1 U17.8
Net-(LED261-K): LED261.1 U17.9
Net-(LED262-K): LED262.1 U17.10
Net-(LED263-K): LED263.1 U17.11
Net-(LED264-K): LED264.1 U17.12
Net-(LED265-K): LED265.1 U17.13
Net-(LED266-K): LED266.1 U17.14
Net-(LED267-K): LED267.1 U17.15
Net-(LED268-K): LED268.1 U17.16
Net-(LED269-K): LED269.1 U17.17
Net-(LED270-K): LED270.1 U17.18
Net-(LED271-K): LED271.1 U17.19
Net-(LED272-K): LED272.1 U17.20
Net-(LED273-K): LED273.1 U18.5
Net-(LED274-K): LED274.1 U18.6
Net-(LED275-K): LED275.1 U18.7
Net-(LED276-K): LED276.1 U18.8
Net-(LED277-K): LED277.1 U18.9
Net-(LED278-K): LED278.1 U18.10
Net-(LED279-K): LED279.1 U18.11
Net-(LED280-K): LED280.1 U18.12
Net-(LED281-K): LED281.1 U18.13
Net-(LED282-K): LED282.1 U18.14
Net-(LED283-K): LED283.1 U18.15
Net-(LED284-K): LED284.1 U18.16
Net-(LED285-K): LED285.1 U18.17
Net-(LED286-K): LED286.1 U18.18
Net-(LED287-K): LED287.1 U18.19
Net-(LED288-K): LED288.1 U18.20
Net-(LED289-K): LED289.1 U19.5
Net-(LED290-K): LED290.1 U19.6
Net-(LED291-K): LED291.1 U19.7
Net-(LED292-K): LED292.1 U19.8
Net-(LED293-K): LED293.1 U19.9
Net-(LED294-K): LED294.1 U19.10
Net-(LED295-K): LED295.1 U19.11
Net-(LED296-K): LED296.1 U19.12
Net-(LED297-K): LED297.1 U19.13
Net-(LED298-K): LED298.1 U19.14
Net-(LED299-K): LED299.1 U19.15
